# Allegro board visualscope2.0.brd (continued)
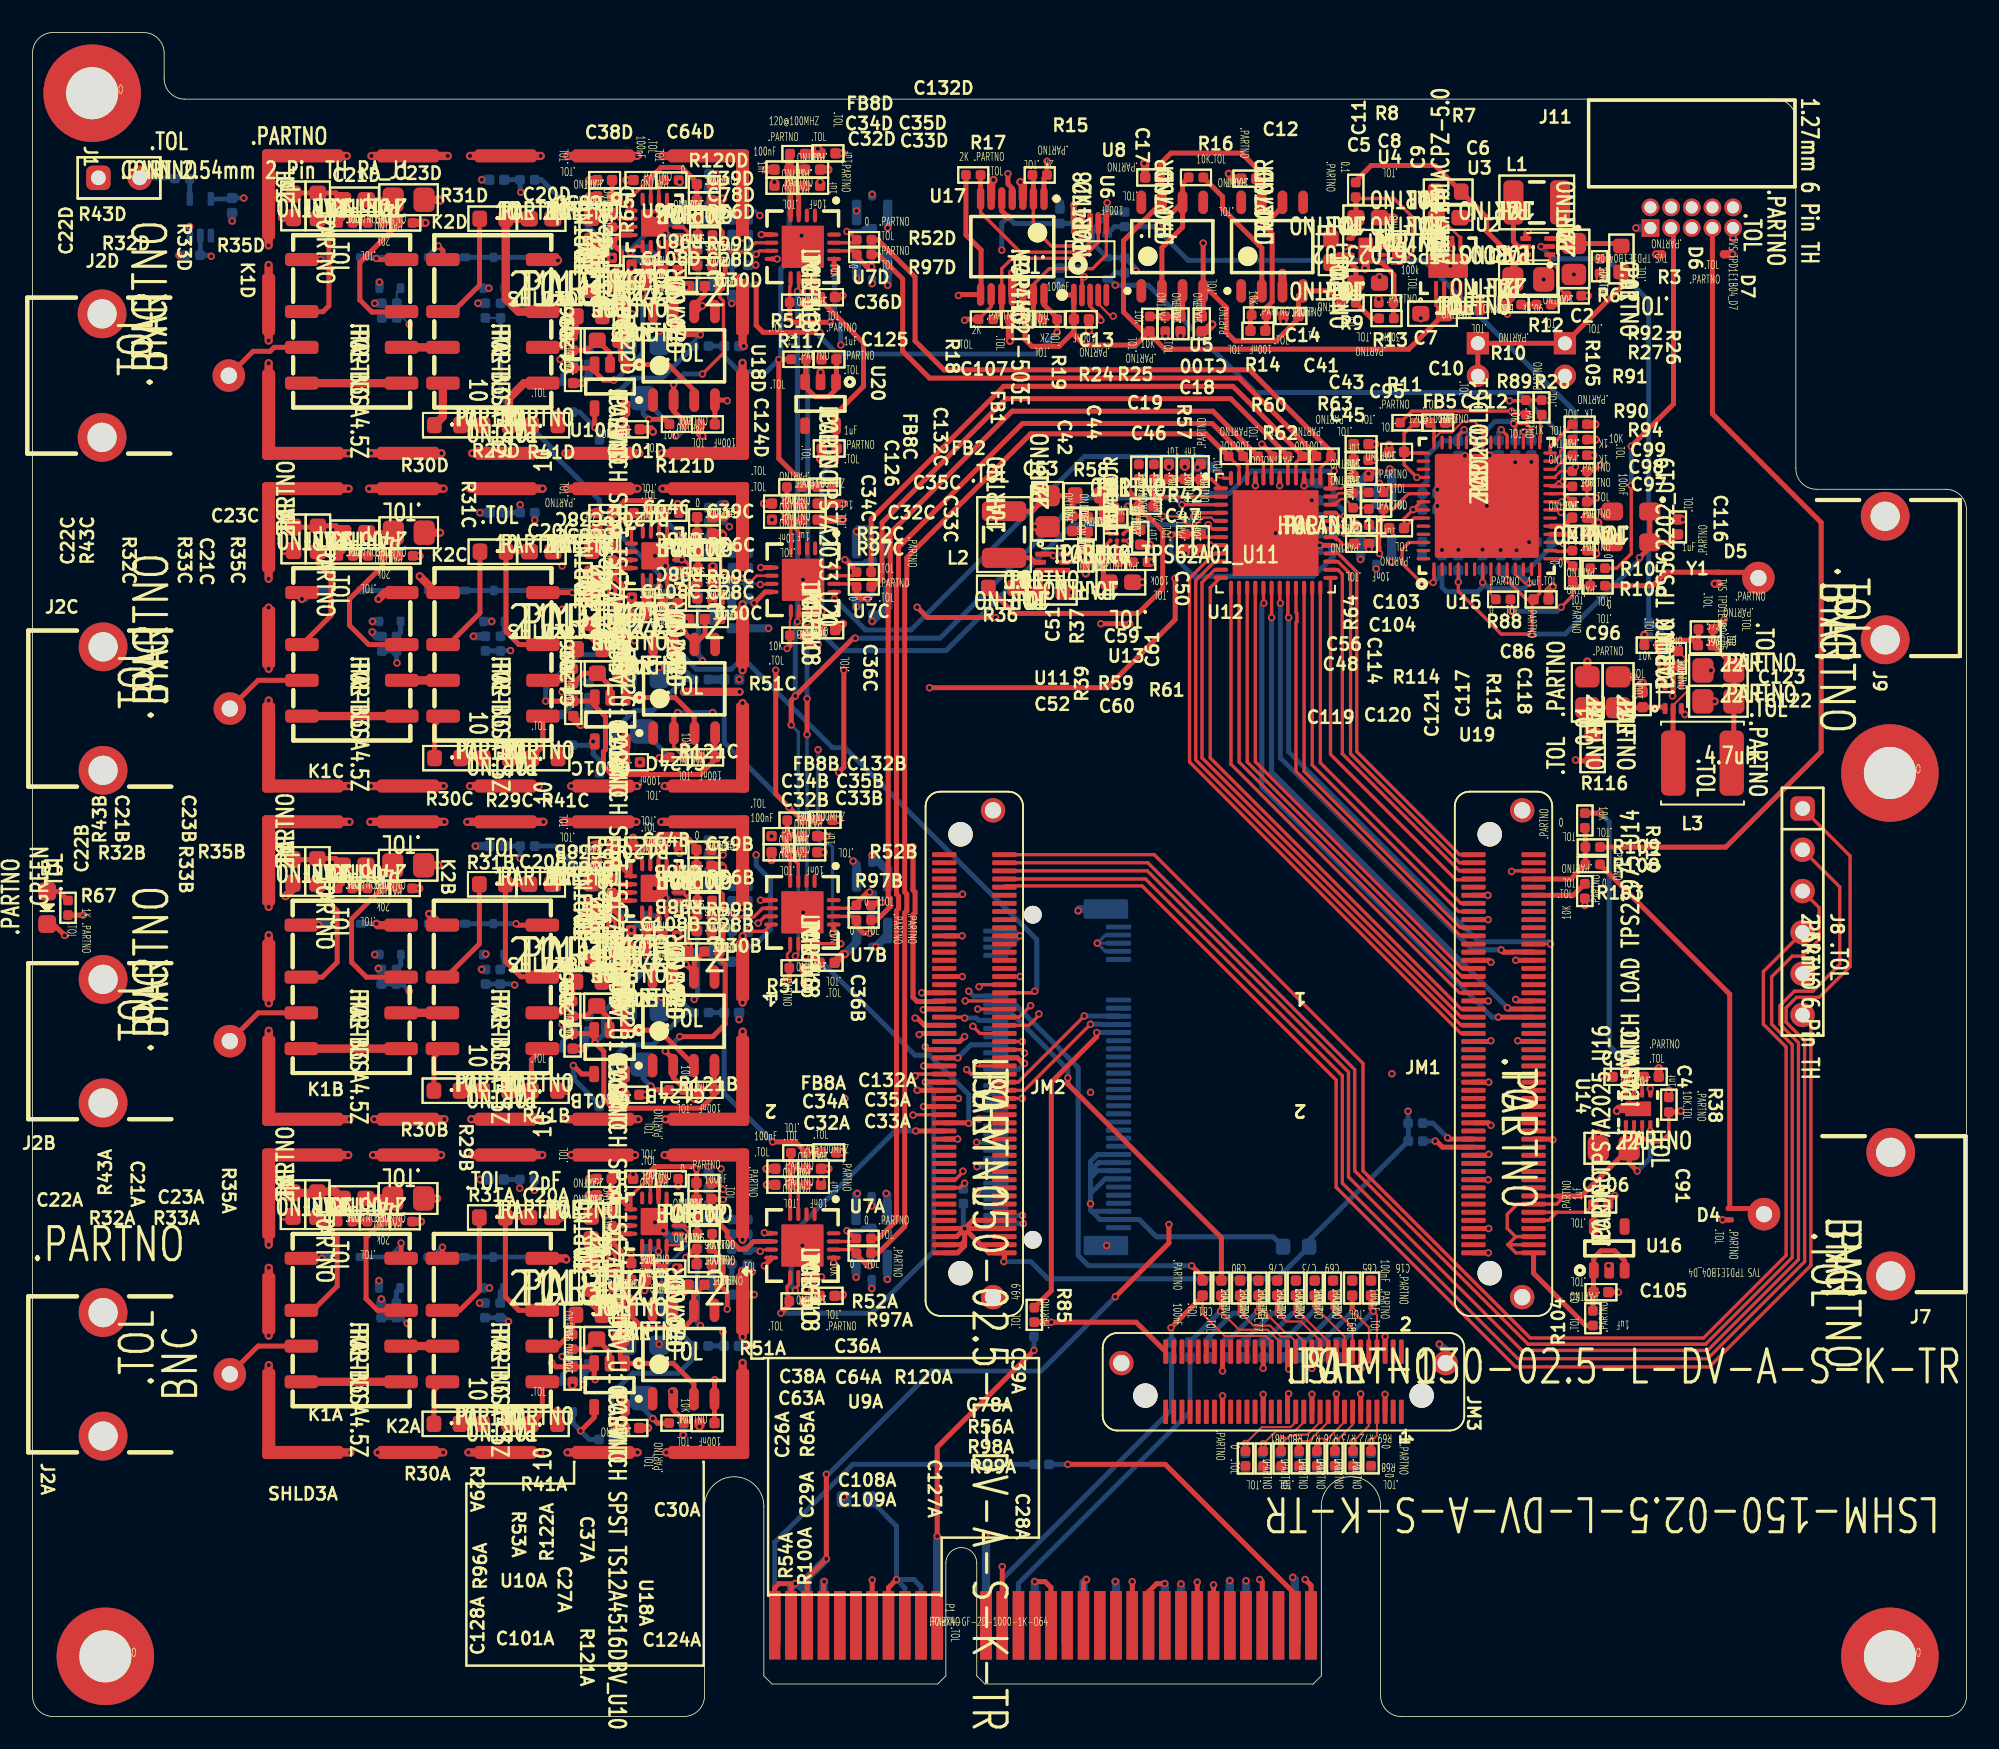
[diagram p0: board, top side]
## Routing (per net, layer and track width the routed paths; a pad name or vN(x,y) marks a point on that pad's centre or on a via; arc(x,y) is an arc through that point) (continued)
N00071: length 1.2
  TOP w0.305: C117.2 101.45,64.43 U19.4
N00073: length 7.6
  TOP w0.127: U19.2 100.95,62.21 101.93,63.19 101.93,64.87 C117.1
  TOP w0.305: L3.1 100.94,58.67 100.94,62 U19.2
N00081: length 6.6
  TOP w0.127: 100.08,64.63 100.08,64.24
  TOP w0.203: R114.2 100.08,64.63 100.08,64.62 100.08,64.24 100.08,64.24 100.08,63.85 U19.6
  TOP w0.305: R114.2 100.39,66.21 102.17,66.21 C118.1 102.51,65.94 R113.1
N00103: length 1.2
  TOP w0.305: U4.7 83.49,90.43 83.95,89.97 C9.1
N00105: length 1
  TOP w0.305: C9.2 83.94,90.93 U4.8
N00107: length 1.4
  TOP w0.305: U4.3 80.98,89.93 80.97,89.92 80.55,89.92 80.54,89.93 80.37,89.93 C11.2
N00109: length 3.8
  TOP w0.305: U4.5 83.03,89.43 83.77,88.69 83.77,87.01 R13.2 83.74,86.04 R11.1
N00125: length 11.4
  TOP w0.203: U4.6 83.42,89.93 83.42,89.65 83.65,89.42 84.29,89.42 84.91,90.04 84.91,92.25 83.77,93.39 81.5,93.39 81.43,93.46
  TOP w0.305: U4.1 81.43,91.27 C8.2 81.43,93.46 R8.2
N00131: length 4.4
  TOP w0.305: R11.2 82.39,86.01 R9.1 81.43,86.98 C5.2 81.43,89.09 U4.4
N00141: length 7.3
  TOP w0.152: C6.2 86.38,92.12 86.71,92.12 87.86,90.97 U3.5
  TOP w0.203: U3.8 86.36,92.18 C6.2 86.86,91.73 U3.7
  TOP w0.305: C6.2 86.31,92.28 R7.2
N00175: length 1.3
  BOTTOM w0.305: U1.4 9.67,94.6 R1.2
N00189: length 2
  TOP w0.127: R88.1 89.73,69.03 U15.8
N00205: length 64.7
  TOP w0.203: v1(58.11,40.18) 58.27,40.02 JM2.48 ; v1(90.88,80.94) 91.84,80.94 R89.1 R28.2
  PWR3 w0.305: v1(58.11,40.18) 58.24,40.18 60.27,42.21 62.31,42.21 64.97,44.87 64.97,49.95 64.34,50.59 64.34,62.53 77.29,75.48 77.29,75.61 82.63,80.94 v1(90.88,80.94)
N00207: length 50
  TOP w0.127: 70.34,75.05 70.78,75.05
  TOP w0.203: JM2.46 57.75,39.52 v1(57.48,39.79) ; U12.2 70.78,75.05 70.75,75.02 70.37,75.02 70.34,75.05 69.55,75.05 R42.1
  TOP w0.305: v1(67.51,67.23) v1(65.73,67.23) ; R42.1 68.95,75.31 v1(68.78,75.48)
  PWR3 w0.305: v1(57.48,39.79) 57.48,40.81 59.51,42.84 59.51,54.65 61.29,56.43 61.29,63.04 65.48,67.23 v1(65.73,67.23) ; v1(67.51,67.23) 67.51,70.4 68.15,71.04 68.15,74.85 v1(68.78,75.48)
N00213: length 1.4
  TOP w0.203: U3.4 87.86,86.82 C10.2
N00223: length 4.6
  TOP w0.305: U11.4 U11.3 C52.2 60.69,69.16 R36.2
N00225: length 2.2
  BOTTOM w0.305: J1.2 8.72,94.66 R1.1
N00227: length 2.4
  TOP w0.305: L2.1 61.42,71.28 61.69,71.01 U11.2
N00253: length 5.8
  TOP w0.305: JM1.94 94.65,51.52 R108.2 R109.2 95.55,54.64 R110.2
N00257: length 3.8
  TOP w0.203: R39.2 64,71.01 U11.5
  TOP w0.305: C51.1 64.92,72.93 R37.1 64.96,71.97 R39.2
N00285: length 3
  TOP w0.203: U13.B2 U13.A2 65.96,73.11 C59.2
  TOP w0.305: C59.2 65.76,73.97 R58.2
N00309: length 8.7
  TOP w0.203: JM2.44 60.64,39.02 v1(64.72,43.1)
  BOTTOM w0.305: J10.53 66.8,43.1 v1(64.72,43.1)
N00311: length 8.7
  TOP w0.203: v1(65.1,42.59) 61.03,38.52 JM2.42
  BOTTOM w0.305: J10.51 65.75,42.57 65.73,42.59 v1(65.1,42.59)
N00313: length 19.9
  TOP w0.305: R85.2 62.69,26.2 62.69,39.02 65.48,41.82 v1(65.48,42.08)
  BOTTOM w0.305: J10.49 v1(65.48,42.08)
N00315: length 22.8
  TOP w0.305: C80.1 73.15,29.46 63.7,38.91 v1(63.7,39.29)
  BOTTOM w0.305: J10.54 60.17,43.33 63.7,39.79 v1(63.7,39.29)
N00317: length 26.7
  TOP w0.305: v1(71.32,27.73) 72,27.06 C81.1
  BOTTOM w0.305: v1(71.32,27.73) 64.97,27.73 64.34,28.36 64.34,39.92 60.43,43.83 J10.56
N00319: length 20.2
  TOP w0.305: v1(61.62,22.52) 55.67,16.57 v1(55.67,11.09)
  BOTTOM w0.305: v1(61.62,22.52) R84.2
  BOTTOM w0.508: P1.A11 v1(55.67,11.09)
N00321: length 20.9
  BOTTOM w0.305: P1.A14 60.67,8.19 71.22,18.74 C40.1
N00323: length 20.8
  BOTTOM w0.305: P1.A13 59.67,8.46 70.08,18.87 C79.1
N00365: length 1.5
  TOP w0.305: R67.1 1.63,50.75 D1.2
N00501: length 5.9
  TOP w0.305: R117.2 47.58,82.14 U20.3 47.54,81.81 48.15,81.2 48.98,81.2 49.44,81.66 U20.1 49.47,82.13 C125.2
N00543: length 3.5
  TOP w0.305: U8.3 70.76,86.27 C19.2 70.63,86.13 R25.2 R24.1
N00579: length 11.2
  TOP w0.305: R16.2 73.23,93.5 73.23,92.75 75.64,90.34 U5.2 75.01,87.08 R14.1 74.94,86.14 C100.2
N01029: length 6.2
  TOP w0.305: R104.2 96.01,26.07 C105.2 96.05,27.43 U16.1 96.07,28.22 96.5,28.65 97.36,28.65 97.97,28.04 U16.3

## Copper pours and planes (outline as drawn; the poured copper is in the pictures)
GND on GND2, GND5: 0.51,102.33 0.73,102.87 1.27,103.09 6.83,103.09 7.37,102.87 7.59,102.33 7.59,100.77 8.11,99.51 9.37,98.99 107.23,98.99 107.77,98.77 107.99,98.23 107.99,76.77 108.51,75.51 109.77,74.99 117.73,74.99 118.27,74.77 118.49,74.23 118.49,1.27 118.27,0.73 117.73,0.51 84.22,0.51 83.68,0.73 83.46,1.27 83.46,12.93 81.14,15.26 78.79,12.96 78.79,2.71 78.59,2.51 58.81,2.51 58.61,2.71 58.61,9.45 57.15,10.91 55.69,9.45 55.69,2.71 55.49,2.51 45.71,2.51 45.51,2.71 45.51,12.93 43.17,15.26 40.84,12.93 40.84,1.27 40.62,0.73 40.08,0.51 1.27,0.51 0.73,0.73 0.51,1.27

## Text on the board
User.15: TDI | J1 | D1 | C23D | C27C | K2C | U10C | U9C | R54C | U7A | U17 | R68 | L1 | U15 | J11 | Y1 | J8 | D7 | GND | SYNC | CLK IN/OUT | TDO | MH1 | U6 | U13 | U12 | U4 | U3 | L3 | U19 | P1 | COMP | TCK | TMS | VREF
User.16: CH3_P | PGA_CS2 | - | +VUSB | U1 | FB10D | Q5C | D3C | R124C | TP43 | C134 | C40 | TP5 | CPL4 | + | CH4_N | PLL | TP50 | CH2_N | ATTEN4 | TRIM3 | ATTEN3 | ATTEN2 | ATTEN1 | TERM4 | TERM3 | TERM2 | TERM1 | CPL3 | CPL2 | CPL1 | LDO | +5V | PGA_CS4 | +3V3_PGA | +3V3_IN | CH2_P | CH3_N | CH1_N | CH1_P | CH4_P | +3V3_PCIe | PERSTn | +3V3 | BUCK | SDA_5V | SCL_5V | +1V92 | +1V8 | VCM | +3V3_M2 | SPI_SDO | CP_IN | CLK_N | -5V | CP_OUT | +5V2 | PGOOD | +2V5 | BST_IN | FE_EN | GND | ACQ_EN | TRIM4 | TRIM2 | TRIM1 | PGA_CS1 | PGA_CS3 | SDA | SCL | ADC_CS | +VBIAS | SPI_SCK | -VBIAS | +12V | BUCK_IN | CLK_P | FAN
